# Altium PCB base-board_2.PcbDoc (part 1 of 3) (continued)
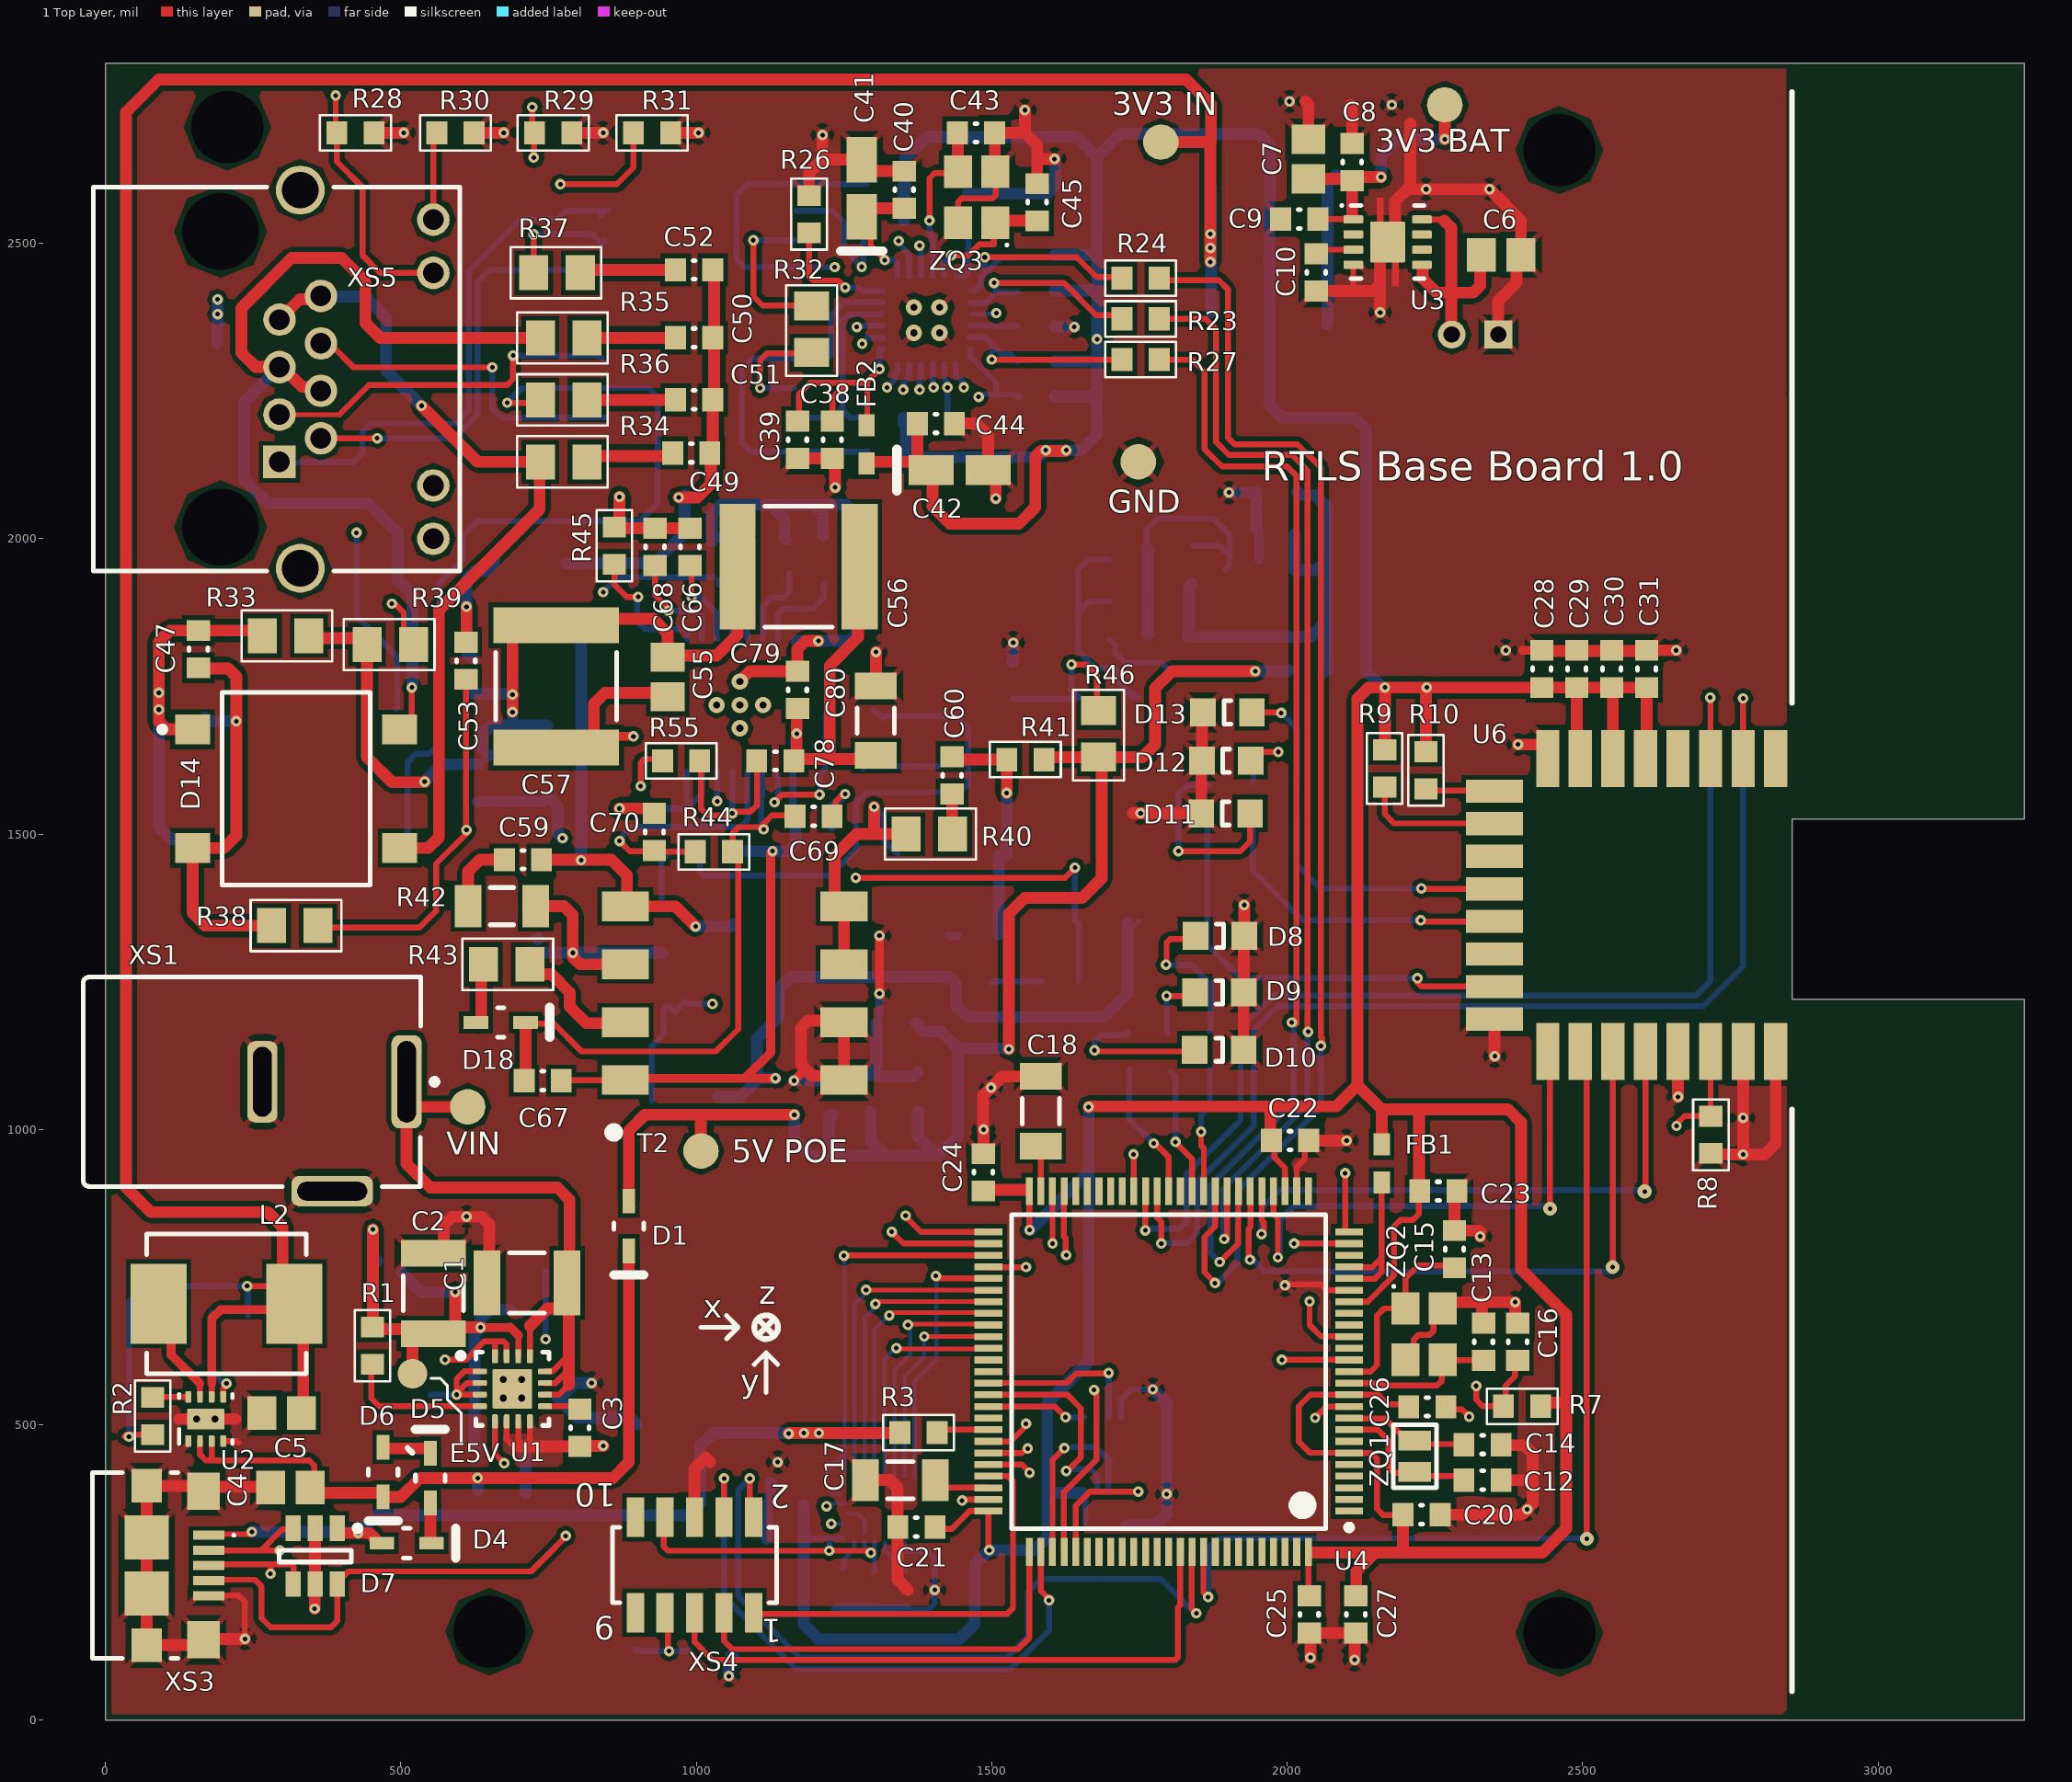
[diagram p0: 1 Top Layer view]
## Footprints (in the part's own frame and the unit in brackets; to place one, negate y for a bottom-side part, rotate by r counter-clockwise, add the part's x,y. Pads: shape width x height; smd on the part's side, far side on the other; paste and mask are expansions set on the pad) (continued)
SOT-23-6 [mm] "SOT23, 6-Leads, Body 2.9x1.7mm, Pitch 0.95mm, Lead Span 2.8mm, IPC Medium Density"
  rect 1.1x0.65 smd: 1(-1.2,0.95) 2(-1.2,0) 3(-1.2,-0.95) 4(1.2,-0.95) 5(1.2,0) 6(1.2,0.95)
  silkscreen extent -1.32,-1.55 0.25,1.95, body extent -0.9,-1.55 0.9,1.55, height 1.45
SOT-223 [mm] "SOT223, 4-Leads, Body 6.5x3.5mm, Pitch 2.3mm, Lead Span 7mm, IPC Medium Density"
  rect 2.4x1 smd: 1(-2.9,2.3) 2(-2.9,0) 3(-2.9,-2.3)
  rect 2.4x3.3 smd: 4(2.9,0)
  silkscreen extent -3.03,-3.35 1.4,3.47, body extent -1.85,-3.35 1.85,3.35, height 1.8
STM-LGA-24_3500X3000X1000 [mm] "LGA, 24-Leads, Body 3.65x3.15mm, Pitch 0.43mm"
  rect 0.23x0.35 smd mask+0.05: 1(-1.505,1.25) 6(-1.505,-1.25) 7(-1.075,-1.25) 8(-0.645,-1.25) 9(-0.215,-1.25) 10(0.215,-1.25) 11(0.645,-1.25) 12(1.075,-1.25) 13(1.505,-1.25) 18(1.505,1.25) 19(1.075,1.25) 20(0.645,1.25) 21(0.215,1.25) 22(-0.215,1.25) 23(-0.645,1.25) 24(-1.075,1.25)
  rect 0.35x0.23 smd mask+0.05: 2(-1.505,0.645) 3(-1.505,0.215) 4(-1.505,-0.215) 5(-1.505,-0.645) 14(1.505,-0.645) 15(1.505,-0.215) 16(1.505,0.215) 17(1.505,0.645)
  silkscreen extent -2.11,1.19 -1.98,1.31, body extent -1.82,-1.57 1.83,1.58, height 1.03
STM-LQFP100_V [mm] "Thin QFP, 100-Leads, Body 14x14mm, Pitch 0.5mm, ST Recommended"
  rect 1.2x0.3 smd: 1(0,0) 2(0,-0.5) 3(0,-1) 4(0,-1.5) 5(0,-2) 6(0,-2.5) 7(0,-3) 8(0,-3.5) 9(0,-4) 10(0,-4.5) 11(0,-5) 12(0,-5.5) 13(0,-6) 14(0,-6.5) 15(0,-7) 16(0,-7.5) 17(0,-8) 18(0,-8.5) 19(0,-9) 20(0,-9.5) 21(0,-10) 22(0,-10.5) 23(0,-11) 24(0,-11.5) 25(0,-12) 51(15.5,-12) 52(15.5,-11.5) 53(15.5,-11) 54(15.5,-10.5) 55(15.5,-10) 56(15.5,-9.5) 57(15.5,-9) 58(15.5,-8.5) 59(15.5,-8) 60(15.5,-7.5) 61(15.5,-7) 62(15.5,-6.5) 63(15.5,-6) 64(15.5,-5.5) 65(15.5,-5) 66(15.5,-4.5) 67(15.5,-4) 68(15.5,-3.5) 69(15.5,-3) 70(15.5,-2.5) 71(15.5,-2) 72(15.5,-1.5) 73(15.5,-1) 74(15.5,-0.5) 75(15.5,0)
  rect 0.3x1.2 smd: 26(1.75,-13.75) 27(2.25,-13.75) 28(2.75,-13.75) 29(3.25,-13.75) 30(3.75,-13.75) 31(4.25,-13.75) 32(4.75,-13.75) 33(5.25,-13.75) 34(5.75,-13.75) 35(6.25,-13.75) 36(6.75,-13.75) 37(7.25,-13.75) 38(7.75,-13.75) 39(8.25,-13.75) 40(8.75,-13.75) 41(9.25,-13.75) 42(9.75,-13.75) 43(10.25,-13.75) 44(10.75,-13.75) 45(11.25,-13.75) 46(11.75,-13.75) 47(12.25,-13.75) 48(12.75,-13.75) 49(13.25,-13.75) 50(13.75,-13.75) 76(13.75,1.75) 77(13.25,1.75) 78(12.75,1.75) 79(12.25,1.75) 80(11.75,1.75) 81(11.25,1.75) 82(10.75,1.75) 83(10.25,1.75) 84(9.75,1.75) 85(9.25,1.75) 86(8.75,1.75) 87(8.25,1.75) 88(7.75,1.75) 89(7.25,1.75) 90(6.75,1.75) 91(6.25,1.75) 92(5.75,1.75) 93(5.25,1.75) 94(4.75,1.75) 95(4.25,1.75) 96(3.75,1.75) 97(3.25,1.75) 98(2.75,1.75) 99(2.25,1.75) 100(1.75,1.75)
  silkscreen extent -0.13,-12.75 14.5,0.82, body extent 0.75,-13 14.75,1, height 1.6
TECO-1981568-5_V [mm] "SMD, 5-Leads, Body 8x5.9mm, Pitch 0.65mm"
  rect 0.4x1.35 smd: 1(-1.3,0) 2(-0.65,0) 3(0,0) 4(0.65,0) 5(1.3,0)
  rect 1.6x1.4 smd: 6(-3.2,-0.225) 7(3.2,-0.225)
  rect 1.45x1.3 smd: 8(-3.425,-2.675) 9(3.425,-2.675)
  rect 1.9x1.9 smd: 10(-1.2,-2.675) 11(1.2,-2.675)
  silkscreen extent -4,-5 4,1.12, body extent -4,-5.4 4,0.2, height 2.79
TPSA106K010R1800 [mm] "Molded, 2-Leads, Body 3.4x1.8mm, IPC Medium Density(AVX)"
  rect 1.95x1.3 smd: 1(0,0) 2(2.45,0)
  silkscreen extent -1.48,-0.9 -1.48,0.9, body extent -0.37,-0.82 2.83,0.83, height 1.8
VSON-8 [mm] "SON, 8-Leads, Body 3x3mm, Pitch 0.65mm, Thermal Pad 1.50 x 3.8mm"
  rrect29% 0.85x0.35 smd: 1(-1.475,0.975) 2(-1.475,0.325) 3(-1.475,-0.325) 4(-1.475,-0.975) 5(1.475,-0.975) 6(1.475,-0.325) 7(1.475,0.325) 8(1.475,0.975)
  rrect7% 1.5x1.75 smd: 9(0,0)
  1 Top Layer region: -0.185,0.875 -0.185,1.9 -0.465,1.9 -0.465,0.875
  1 Top Layer region: 0.185,-0.875 0.185,-1.9 0.465,-1.9 0.465,-0.875
  1 Top Layer region: -0.185,-0.875 -0.185,-1.9 -0.465,-1.9 -0.465,-0.875
  1 Top Layer region: 0.185,0.875 0.185,1.9 0.465,1.9 0.465,0.875
  silkscreen extent -2.02,-1.58 1.57,1.62, body extent -1.5,-1.5 1.5,1.5, height 1

## Part data
C1 C3 C67 C71: Voltage=25V
C2 C4 C5 C9 C11 C13 C15 C16 C17 C18 C19 C20 C21 C22 C23 C24 C25 C26 C27 C61 C62 C63 C65: Voltage=10V
  C17 C18: Model=CC1206KKX7R6BB225
  C61 C62 C63 C65: Model=GRM21BR61A476ME15L
C6 C28 C29 C30 C31 C32 C33 C34 C35 C36 C37 C38 C39 C40 C44 C60 C64: Voltage=16V
C7 C8 C10 C68 C69 C70 C74 C75 C76 C77 C78: Voltage=50V
C12 C14 C43 C45: Voltage=*V
C41 C42: "CAP TANT 10UF 10% 10V 1206", Voltage=10V, Model=TPSA106K010R0900
C46 C47 C48 C49 C50 C51 C52 C53 C55 C56 C57 C58 C59 C66 C72 C73 C79: Voltage=100V
  C55: Model=08051C104KAT2A
C54 C80: Voltage=2KV
D1 D2 D3 D4 D5 D6: library part BAT60J, "Shottky Diode 10V 3A"
D7: "4-line ESD protection", Manuf_1=STM, Manuf_Part_1=ESDA5V3L, Distrib=ST, ECCN_US/EU=EAR99/NEC, Order=ESDA5V3L, Ordered by=STM, Provided=ST, Ref St=9179034
D8 D9 D10 D11 D12 D13: "LED SMD 0805 K1A2"
D14 D15: "BRIDGE RECT 1P 100V 1.5A 4SDIP"
D16: "TVS DIODE 58V 93.6V DO214AC"
D17: "DIODE SCHOTTKY 40V 2A SMB"
D18 D19: "DIODE SCHOTTKY 100V 150MA SOD323"
FB1 FB2: library part BLM18, "Ferrite Bead 0603", DC Current Rating="* A", Resistance="* Ohm"
L1 L2: "FIXED IND 2.2UH 2.5A 31 MOHM SMD", Model=LQH55PN2R2NR0
L3: "SMT Power Inductor", Model=ME3220-562M
R3 R4 R5 R6 R8 R11 R12 R13: library part R0603
SB1: "SMD Switch 2-Leads"
SW1: "Switch Slide DPDT, 0.3 A, 6 V, -40 to 85 degC, 6-Pin SMD, RoHS, Tape and Reel", Actuator Color=Black, Contact Rating @ Voltage=0.3@6VDCA, Dielectric Strength=500VAC, Manufacturer="C&K Components", Maximum AC Voltage Rating=N/A, Maximum Contact Resistance=70mOhm, Maximum DC Voltage Rating=6V, Minimum Insulation Resistance=100MOhm, Operating Temperature=-40to85C, Actuator Material=Nylon4/6, Actuator Style=TopSlide, Base Material=N/A, Body Orientation=Straight, Contact Material=CopperAlloy, Contact Plating=Silver, COO=US, Datasheet URL=http://datasheet.octopart.com/JS202011SCQN-C%26K-Components-datasheet-62100994.pdf, Datasheet Version=Sep-15, Dimension=9x7.5x5.5mm, ECCN=EAR99, Electrical Life=15000Cycles, Family=JS, Housing Material=Nylon4/6, HTS=8536509050, Manufacturer URL=http://www.ckswitches.com, Mechanical Life=N/A, Mounting=SurfaceMount,GullWing, Packaging=TapeandReel, Part No=JS202011SCQN, Pole Throw Configuration=DPDT, Product Weight=N/A, RoHS=Yes, Seal Description=N/A, Seal Location=N/A, Supplier=C&KComponents, Supplier Standard Pack=5,000, Switch Configuration=N/A, Type=Sub-Miniature
T1: "MODULE XFRMR VOIP SGL LAN 16SOIC", Package="SOIC-16 Pulse", Availability=Unavailable, MF="Pulse Electronics", MP=H2019NL, Price=None, SnapEDA_Link=https://www.snapeda.com/parts/H2019NL/Pulse%20Electronics%20Network/view-part/?ref=snap
T2: "PoE transformer, SMT"
U1: library part TPS62143RGT16, "Buck 2A TI Fix 5V"
U2: library part TPS62162DSG8, "Buck 1A TI Fix 3.3V"
U3: "IC REG LINEAR 3.3V 400MA 8SON"
U5: "FLASH 16M SPI 86MHZ 16SOP"
U6: "MOD IEEE802.15.4-2011 UWB TXRX", Current - Receiving=64mA, Current - Transmitting=31mA, Frequency="3.5GHz ~ 6.5GHz", Manufacturer="Decawave Limited", Operating Temperature="-40°C ~ 85°C", Package / Case=Module, Power - Output=-, Supplier Part Number 1=1479-1002-1-ND, Voltage - Supply="2.8 V ~ 3.6 V", Antenna Type="Integrated, Chip", Category="RF/IF and RFID", ComponentLink1Description=http://www.decawave.com/sites/default/files/product-pdf/dwm1000-product-brief.pdf, ComponentLink1URL=http://www.decawave.com/sites/default/files/product-pdf/dwm1000-product-brief.pdf, Data Rate=6.8Mbps, Manufacturer Part Number=DWM1000, Memory Size=-, Modulation=-, Mounting Type="Surface Mount", Packaging="Cut Tape (CT)", Pricing 1="1=32.16, 10=26.704, 100=24.24, 250=22.51296 (USD)", Protocol=-, RF Family/Standard=802.15.4, RoHS="RoHS Compliant", Sensitivity=-, Serial Interfaces=SPI, Stock 1=1028, Supplier 1=Digi-Key
U7: library part STM-LSM9DS1-24
U8: "RMII 10/100 Eth Transceiver Microchip"
U11: "IC VREF SHUNT ADJ SOT23-5"
VT1: "MOSFET N-CH 200V 1A"
XS2: "Male Header, Pitch 2 mm, 1 x 2 Position, Height 4.8 mm, Tail Length 3.4 mm, -25 to 85 degC, RoHS, Bulk", Capacitance="10 uF", Case\Package=Radial, Max Operating Temperature="85 degC", Min Operating Temperature="-40 degC", Package Quantity=200, Tolerance=20%, Voltage Rating="50 V", ComponentLink1Description=Datasheet, ComponentLink1URL=http://www.jst-mfg.com/product/pdf/eng/ePH.pdf, DatasheetVersion=Dec-12, Diameter="5 mm", Height="11 mm", Lead Pitch="2 mm", Length="11 mm", Mount="Through Hole", PackageDescription="Male Header, Pitch 2 mm, 1 x 2 Position, Height 4.8 mm, Tail Length 3.4 mm", PackageReference=S2B-PH-K-S, Packaging=Bulk, Pins=2, Radiation Hardening=No, REACH SVHC="No SVHC", RoHSCompliant=true, Voltage Rating (DC)="50 V"
XS3: library part "USB-Micro B"
XS4: library part PLD1.27-10-MCU
XS5: "Single Port RJ45 Connector"
ZQ1: library part Crystal, "DST210A"
ZQ2 ZQ3: library part Crystal_4, "DSX321G"

## Free pads (board coordinates)
  round 60 hole 122.05 unplated: 1(206.69,2696.85) 1(650,150) 1(2460.63,147.64) 1(2460.63,2657.48)
  round 60 smd: 2(613.19,1038.39) 3(1007.87,963.58) 4(1786.42,2671.26) 6(2266.73,2734.25) 9(1748.03,2129.92)
  round 50 smd: 8(519.68,586.61)

## Via types
v1: diameter 17.72, hole 7.87, 1 Top Layer to 4 Bottom Layer, tented both sides, 215 vias
v2: diameter 17.72, hole 7.87, 1 Top Layer to 4 Bottom Layer, 13 vias
v3: diameter 27.56, hole 11.81, 1 Top Layer to 4 Bottom Layer, 11 vias
v4: diameter 23.62, hole 7.87, 1 Top Layer to 4 Bottom Layer, tented both sides, 4 vias
v5: diameter 27.56, hole 11.81, 1 Top Layer to 4 Bottom Layer, tented top, 4 vias

## Nets (pads, with @x,y where several pads share a name; then routed paths per layer and width w, separated by ;. In a path a pad name is that pad's centre, name@x,y a point inside that pad or via, vN(x,y) a via of type N, cw(c..) or ccw(c..) an arc to the next point about the centre after c; other vN are vias at no path point)
3V3: C11.2 C20.2 C21.2 C22.2 C23.2 C24.2 C25.2 C26.2 C27.1 C28.1 C29.1 C30.1 C31.1 C34.1 C35.1 C36.1 C42.1 C44.1 FB1.2 FB2.2 R7.2 R9.2 R10.2 R14.2 R15.2 R16.2 R17.2 R18.2 R19.2 R20.2 R21.2 R22.2 SW1.2 SW1.5 U4.6 U4.11 U4.19 U4.28 U4.50 U4.75 U4.100 U5.8 U6.5 U6.6 U6.7 U7.1 U7.3 U7.22 U7.23 U8.9 XS4.8 | length 11664.4
  1 Top Layer w10: XS4.8@945,344 945,294 952,287 v1(1225,287) 1298,287 v1@1299,286 ; v1(1295.27,283.46) 1296.46,283.46 v1@1299,286 ; v1@1299.21,286.21 v1@1299,286 ; C21.2@1407.48,321.54 1407.48,321.6 1409.88,324 1432.67,324 1462.67,354 1494.57,354 1494.57,290.43 1496,289 v1(1496,288) ; U4.50@1562.36,897.64 U4.50@1563,897 ; v1(1564,830) 1564,896 U4.50@1563,897 ; U4.50@1564,898 U4.50@1563,897 ; C22.2@1973.43,981.3 1978.63,976.09 1978.63,952.47 1996.54,934.57 U4.28@1996.54,895.39 ; C25.2@2034,218 2035.91,219.91 U4.100@2035.91,285.16 ; 2080.87,452.76 2038.24,452.76 2019.68,471.31 2019.68,531.5 2039.09,550.91 U4.11@2104.8,550.91 2105.08,551.18 2153.82,551.18 2170,535 C26.2@2213,535 ; U4.19@2104.8,708.39 2136.39,708.39 2181,753 2181,836 2192,847 2213,847 2223,857 C23.2@2223,894 ; U4.6@2109.48,452.48 2142.52,452.48 2152,443 2152,358 2163,347 C20.2@2196,347
  1 Top Layer w20: FB2.2@1289.37,2135.83 1289.37,2133.78 1293.15,2130 C42.1@1374.02,2130 ; C44.1@1374.02,2194.88 C42.1@1374.02,2130 ; C42.1@1375,2127 1374.02,2127.98 C42.1@1374.02,2130 ; C42.1@1396,2130 C42.1@1374.02,2130 ; C42.1@1400,2115 1400,2054.72 1429.13,2025.59 1546.26,2025.59 1573.82,2053.15 1573.82,2138.78 1583.66,2148.62 1625,2148.62 v1(1625.98,2149.61) ; C24.2@1486,896.01 1487.99,898 U4.50@1559.06,898 ; v1(1664,1038) 1665,1039 1971.46,1039 ; C22.2@1971.46,996.61 1971.46,1039 ; U4.100@2041,284 2149,284 ; C27.1@2116.14,210.63 2107.63,210.63 2117,220 2117,252 2149,284 ; 2117,1073 2083,1039 1971.46,1039 ; FB1.2@2160,974.96 2160,1030 ; R9.2@2164,1658.83 2165.35,1660.18 2164.98,1660.56 2165.35,1660.94 v1@2165.35,1747.65 ; v1@2165,1748 2137.76,1748 2119,1729.24 2119,1075 2160,1034 2223,1034 ; v1(2165.35,1748.03) v1@2233.75,1748.03 ; C20.2@2196,348 2196,347 2196,291 2197,290 ; C23.2@2223,894 2223,1034 ; R10.2@2235,1639.5 v1@2235,1746.78 ; v1(2236.22,1748.03) 2431,1748 2432,1749 C28.1@2432.97,1748.03 ; C28.1@2431.1,1748.03 C28.1@2432.97,1748.03 ; R7.2@2433.99,538 2434.55,537.44 2469.99,537.44 2472,535.43 ; C28.1@2435,1748 2434,1747 C28.1@2432.97,1748.03 ; U6.7@2498,1631 2490.16,1638.84 C29.1@2490.16,1748.03 ; U6.6@2551.18,1627.56 2551.18,1744.18 C30.1@2552,1745 ; U6.5@2608,1629 2608.27,1629.27 C31.1@2608.27,1748.03 ; C31.1@2608,1750 2606.03,1748.03 C30.1@2549.21,1748.03 C29.1@2490.16,1748.03 ; 2149,284 2432,284 2472,324 2472,535.43 ; 2223,1034 2374,1034 2396,1012 2396,763 2472,687 2472,535.43 ; C28.1@2432.97,1748.03 C29.1@2490.16,1748.03
  2 Signal Layer w10: v1(1507.87,2381.89) 1505.73,2381.89 1503.26,2379.42 1654.58,2379.42 1678.15,2355.85 v1(1678.15,2337.6)
  4 Bottom Layer w7: 1258.86,349.49 1273.51,349.49 1284.74,338.26 1284.74,316.93
  4 Bottom Layer w8: U7.23@1284.74,302.17 1284.74,293.26 v1@1295.5,282.5 ; C34.1@1301.67,250.67 U7.22@1301.67,303.15 ; U8.9@1465.29,2381.02 1465.88,2380.42 1506.41,2380.42 v1@1507,2381.02
  4 Bottom Layer w10: C36.1@1187,308 1226,308 ; v1(1225,287) 1225,307 1226,308 ; U7.1@1247.12,308 1226,308 ; C34.1@1301,250 C34.1@1301.67,250.67 ; R17.2@1345.78,2193.24 1350.39,2198.05 1353.73,2201.53 1354.33,2202.16 1356.92,2204.86 R17.2@1356.92,2204.67 ; v1@1507,2381.02 v1(1507.87,2381.89) ; C11.2@1658,335 1658.47,335.47 U5.8@1658.47,387.01
  4 Bottom Layer w20: C35.1@1182,364 1182,313 C36.1@1184,311 ; C36.1@1185,312 C36.1@1184,311 ; C36.1@1187,308 C36.1@1184,311 ; R17.2@1350.39,2198.05 R17.2@1350.39,2204.72 ; R14.2@1351.38,2538.39 R15.2@1351.38,2597.44 ; R15.2@1353.35,2595.47 1353.35,2642.72 1390.75,2680.12 1643.7,2680.12 1678.15,2645.67 v1(1678.15,2337.6) 1678.15,2300 ; R16.2@1354.33,2129.92 R16.2@1354.33,2130.08 ; R17.2@1354.33,2202.16 R16.2@1354.33,2130.08 ; v1(1564,830) 1566,830 1664,928 ; v1@1591.54,2149.5 1625.88,2149.5 v1(1625.98,2149.61) 1650.59,2149.61 1678.15,2177.17 1678.15,2238.58 ; v1(1591.54,2149.61) 1579.72,2137.8 R22.2@1433.07,2137.8 1362.05,2137.8 R16.2@1354.33,2130.08 ; R21.2@1606.5,2240 1676.73,2240 1678.15,2238.58 ; R20.2@1606.5,2300 1678.15,2300 ; R18.2@1606.5,2420 1674.21,2420 ; R19.2@1606.5,2480 1676.18,2480 ; U5.8@1653,385 1599,385 1598,386 1597,386 1594,389 ; v1(1664,1038) 1664,928 ; 1679.13,2646.65 1717.52,2685.04 1951.96,2685.04 1971,2666 SW1.5@1971,2578 ; SW1.2@1970,2376.73 1970,2226 1991.28,2204.72 2114.17,2204.72 2133.86,2185.04 2133.86,1775.59 2161.42,1748.03 v1(2165.35,1748.03) v1(2236.22,1748.03) ; SW1.2@1970,2385 SW1.5@1970,2578 ; C36.1@1184,311 1182,309 C36.1@1182,307 1182,162 1207,137 1445,137 1471,163 1471,263 v1(1496,288) 1573,288 1594,309 1594,389 ; 1594,389 1594,537 1664,607 1664,928 ; 1678.15,2238.58 1678.15,2300
3V3_BAT: C7.2 C8.2 C9.2 pad.6 SW1.1 SW1.4 U3.1 | length 788.9
  1 Top Layer w10: C9.2@2052,2541 2110.57,2541 U3.1@2111.22,2540.35
  1 Top Layer w20: C7.2@2036,2609 2109.5,2609 C8.2@2111.22,2607.28 ; C8.2@2110,2606 2110,2548.46 2110.24,2548.23 ; C8.2@2114,2612 v1(2159,2612) ; v1(2266.73,2676.18) pad.6@2266.73,2734.25
  4 Bottom Layer w20: SW1.1@2067,2363 2068.43,2364.43 SW1.1@2068.43,2376.73 SW1.4@2068.43,2593.27 2068.43,2601.38 2082.05,2615 2085.05,2612 v1(2159,2612) 2159,2649.16 2186.02,2676.18 v1(2266.73,2676.18)
3V3_IN: C5.2 L2.2 pad.4 R2.2 R64.2 SW1.3 SW1.6 U2.6 | length 5782.7
  1 Top Layer w10: v2(40,480) 32.09,480 35.59,483.5 R2.2@80,483.5 ; v2(240,735) L2.2@295,735 ; L2.2@320,705 L2.2@330,695 ; U2.6@180,547.56 180.16,547.4 180,570 U2.6@180,547.56
  1 Top Layer w15: 179.84,570.16 179.84,679.84 195,695 330,695 L2.2@335,695
  1 Top Layer w20: L2.2@300,720 300,835 275,860 77,860 35,902 35,2722 90,2777 1829,2777 1871,2735 1871,2671.26 ; L2.2@320,705 335,695 C5.2@335,530 ; pad.4@1786.42,2671.26 1871,2671.26 ; v1(1870.08,2468.5) v1(1870.08,2492.13) v1(1870.08,2515.75) 1870.08,2670.34 1871,2671.26
  4 Bottom Layer w10: v2(40,480) 40,710 65,735 v2(240,735) 241.5,733.5 R64.2@241.5,685
  4 Bottom Layer w20: SW1.3@1871,2383 1871.57,2383.57 SW1.6@1871.57,2593.27
5V: C4.2 D1.2 D3.2 D6.2 U2.2 U2.3 | length 1219.8
  1 Top Layer w10: U2.2@160.16,472.6 160.16,449.84 170,440 180,440 ; U2.3@179.84,472.6 179.84,440.16 180,440 ; C4.2@355,390 353.61,391.39 353.61,431.39 345,440 180,440
  1 Top Layer w20: C4.2@365.2,385 D6.2@464.64,385 ; D6.2@470,377.87 499.92,377.87 532.05,410 v1(630,410) 859,410 886,437 D1.2@886,797
  4 Bottom Layer w20: v1(630,410) 630,390 D3.2@631,389
5V_POE: C61.2 C62.2 C63.2 C64.1 D1.1 pad.3 R41.2 R46.2 R54.1 | length 2541.9
  1 Top Layer w10: D1.1@885.83,878.74 D1.1@885.83,879.17 ; 885.83,996.83 887.5,998.5
  1 Top Layer w20: 885.83,996.83 885.83,879.17 D1.1@886,879 ; 887,999 913,1025 1007.87,1025 ; pad.3@1007.87,963.58 1007.87,1025 ; v1(1166,1025) 1007.87,1025 ; v1(1529,1136) 1529,1365 1556,1392 1653,1392 1686,1425 R46.2@1686,1630 ; R41.2@1587,1630 1587.26,1630.26 R46.2@1681,1630.26 1755.26,1630.26 1776.57,1651.57 1776.57,1747.05 1805.12,1775.59 v1(1945.87,1775.59)
  4 Bottom Layer w20: v1(1166,1025) 1166,983 1193,956 1408,956 1375,989 C62.2@1375,1030 C62.2@1377,1030 ; C64.1@1232,1024 1231,1025 C64.1@1225,1025 1225,982 1250,957 ; C63.2@1295,1030 1295,981 1318,958 ; C61.2@1371.93,1180 1385.68,1166.25 1413.75,1166.25 1443,1137 ; 1410,956 1443,989 1443,1137 ; v1(1529,1136) 1525,1136 1524,1137 1443,1137 ; v1(1945.87,1775.59) 2000,1775.59 R54.1@2001.97,1777.56
AGND: C66.2 C68.2 C69.1 C70.1 R45.2 R47.2 U9.15 U9.16 | length 1543.4
  1 Top Layer w10: C69.1@1236.22,1540.35 1236.22,1555.12 1249.02,1567.91 v1(1251.97,1567.91)
  1 Top Layer w20: v1(870.08,1543.31) 920.68,1543.31 C70.1@929,1534.99 ; v1(870.08,2070.87) 870.08,2028.15 R45.2@861.46,2019.53 863.43,2017.56 C68.2@930.35,2017.56 C66.2@989.41,2017.56
  3 GND Layer w10: v1@866.14,2070.87 v1(870.08,2070.87)
  3 GND Layer w15: v1(870.08,1543.31) v1(870.08,2070.87) ; v1@874.02,1547.24 947.24,1547.24 1002.36,1602.36 1217.52,1602.36 v1(1251.97,1567.91)
  4 Bottom Layer w10: U9.16@984.25,1606.3 984.25,1543.31 1009.84,1568.9 U9.15@1009.84,1606.3
  4 Bottom Layer w11.81: v1(870.08,1543.31) 984.25,1543.31
  4 Bottom Layer w15.75: R47.2@1229.5,1513 1229.5,1545.44 v1(1251.97,1567.91)
Chassis: C46.1 C53.2 C54.1 R61.1 XS5.13 XS5.14 | length 411.8
  1 Top Layer w20: C53.2@611.22,1823.82 v1(611.22,1884.84)
  3 GND Layer w20: 585.75,1941.81 611.22,1916.34 v1(611.22,1884.84)
  4 Bottom Layer w20: R61.1@188.74,2330 190,2331.26 v2(190,2380) v2(190,2405) ; XS5.14@319.84,1949.84 XS5.14@329.8,1949.84 ; C46.1@611.22,1808.07 C46.1@620.08,1799.21 ; C46.1@611.22,1810.04 v1(611.22,1884.84) 611.22,1931.22 625,1945 644.75,1945 657.48,1957.73 C54.1@657.48,1964.57
DWM_CS: U4.29 U6.17 | length 908.6
  1 Top Layer w10: U4.29@1976.85,895.39 1977,895.24 1977,857.53 1984.25,850.28 v1@1984.25,783.46 ; U6.17@2443,1134 2444.88,1132.12 v4(2444.88,866.14)
  4 Bottom Layer w10: v1@1988.19,789.59 1988.19,846.46 2008.37,866.63 2011.81,870.08 2440.94,870.08 v4(2444.88,866.14)
  other v1: 1984.25,783.46
DWM_MISO: U4.31 U6.19 | length 1096.1
  1 Top Layer w10: v1@1938,783 1934.83,786.17 1934.83,831.89 1938,835.05 U4.31@1938,886 ; v4(2551,767) 2551,828.36 2551.18,828.18 U6.19@2551.18,1131.89
  4 Bottom Layer w10: v1(1937.01,779.53) 1942.47,779.53 1962.16,759.84 2543.84,759.84 v4(2551,767)
DWM_MOSI: U4.91 U6.18 | length 1636.8
  1 Top Layer w10: U4.91@1859,283 1858.27,282.27 1858.27,216.54 v1(1866.14,208.66) ; U6.18@2496.06,1131.89 2507,1120.95 v4(2507,307)
  4 Bottom Layer w10: v1(1866.14,208.66) 1866.14,291.34 1882.8,308 v4@2506,308
DWM_RXLED: R12.2 U6.13 | length 525.6
  1 Top Layer w10: v1(2226,1354) 2227.48,1352.52 2232.48,1352.52 2232.83,1352.17 U6.13@2350.59,1352.17
  4 Bottom Layer w10: R12.2@1941,1519 1942,1518 1942,1437.92 2025.92,1354 v1(2226,1354)
DWM_RXOKLED: R11.2 U6.15 | length 728.9
  1 Top Layer w10: v1(2220.47,1255.91) 2220.47,1248.53 2227.07,1241.93 U6.15@2350.59,1241.93
  4 Bottom Layer w10: R11.2@1865,1522 1865,1312.17 1921.37,1255.8 1921.48,1255.91 v1(2220.47,1255.91)
DWM_SCK: U4.30 U6.20 | length 1012.6
  1 Top Layer w10: U4.30@1957.17,895.39 1957,895.23 1957,846.15 1960.63,842.52 v1@1960.63,827.37 ; v4@2606.3,895 U6.20@2606.3,1131.89
  4 Bottom Layer w10: v1(1956.69,822.83) 1956.69,866.69 1987.64,897.64 2602.36,897.64 v4(2605,895)
DWM_TXLED: R13.2 U6.12 | length 432.7
  1 Top Layer w10: v1(2227,1408) 2227.72,1407.28 U6.12@2350.59,1407.28
  4 Bottom Layer w10: R13.2@2017,1530 2017,1447.57 2056.57,1408 v1(2227,1408)
E5V: C2.2 D2.1 L1.2 pad.8 R1.2 R62.2 U1.14 | length 1010.2
  1 Top Layer w10: C2.2@562.5,662 C2.2@564.91,664.42 ; U1.14@698.82,616.14 698.82,651.57
  1 Top Layer w15: v1(635,665) 685,665 ; 685.2,665.2 698.82,651.57
  1 Top Layer w20: v1(452.76,830.71) 452.76,676.71 452,675.95 465.95,662 C2.2@562.5,662 ; pad.8@519.68,586.61 519.68,641.89 532.32,654.53 C2.2@555.12,654.53 ; C2.2@592.18,656.5 v1(592.18,724.75) ; 612.22,664.86 612.36,665 v1(635,665)
  4 Bottom Layer w20: v1(452.76,830.71) 452.76,786.67 452,785.91 460,777.91 L1.2@456.69,774.61 ; L1.2@501.97,757.87 535.09,724.75 v1(592.18,724.75) ; D2.1@627.17,462.6 625,464.76 625,655 v1(635,665) 635,680 650,695 R62.2@683.5,695 R62.2@685,695